# Altium PCB BMYY_PCB_RULER-Pink.PcbDoc (part 1 of 4) (continued)
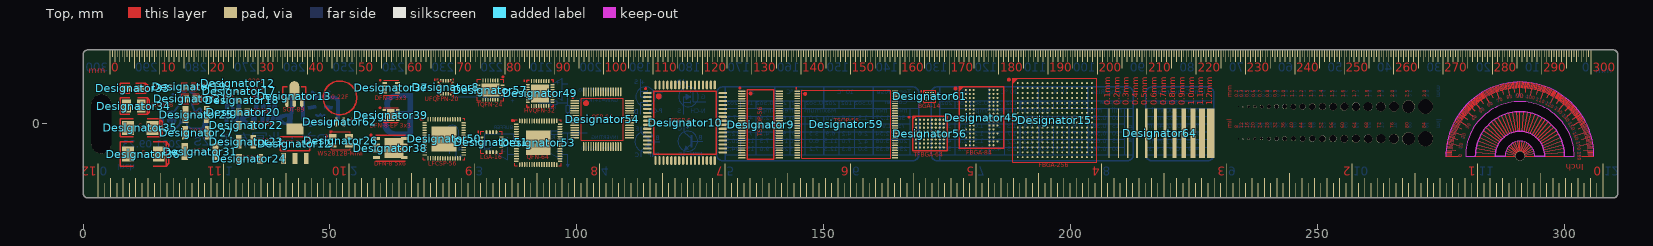
[diagram p0: Top view]
## Footprints (in the part's own frame and the unit in brackets; to place one, negate y for a bottom-side part, rotate by r counter-clockwise, add the part's x,y. Pads: shape width x height; smd on the part's side, far side on the other; paste and mask are expansions set on the pad) (continued)
PITCHAAAAA [mm]
  rect 10x0.1 smd: 1(0,0)
  rect 10x0.2 smd: 4(0,-1.887)
  rect 10x0.3 smd: 5(0,-3.774)
  rect 10x0.4 smd: 6(0,-5.661)
  rect 10x0.5 smd: 7(0,-7.548)
  rect 10x0.6 smd: 8(0,-9.435)
  rect 10x0.7 smd: 9(0,-11.322)
  rect 10x0.8 smd: 10(0,-13.209)
  rect 10x0.9 smd: 11(0,-15.096)
  rect 10x1 smd: 12(0,-16.983)
  rect 10x1.25 smd: 13(0,-18.795)
  rect 10x1.5 smd: 14(0,-20.606)
PMOS-SYMB [mm] "PMOS-SYMB"
  Top circle w0.152: c0,0 r2
  Top circle w0.152: c0,0 r2
  Top region: 0,0.4 0.8,0 0,-0.4 0,0.4
  Top region: 0,0.4 0.8,0 0,-0.4 0,0.4
  Top lines w0.15: 0.8,0 0,0.4 ; 0.8,0 0,-0.4 ; 0.8,0 0,0.4 ; 0.8,0 0,-0.4 ; 0,-0.4 0,0 ; 0,-0.4 0,0 ; 0,0 0,0.4 ; 0,0 0,0.4
  Top lines w0.152: 2.15,-3.2 2.15,-2.8 ; 2.15,-3.2 2.15,-2.8 ; 2.15,-3.2 1.9,-3.45 ; 2.15,-3.2 1.9,-3.45 ; 2.15,-2.8 1.9,-2.55 ; 2.15,-2.8 1.9,-2.55 ; 1.9,-3.45 1.55,-3.45 ; 1.9,-3.45 1.55,-3.45 ; 1.9,-2.55 1.55,-2.55 ; 1.9,-2.55 1.55,-2.55 ; 1.55,-3.45 1.55,-2.55 ; 1.55,-3.45 1.55,-2.55 ; 1,-1.1 -0.5,-1.1 1,-1.1 ; 1,-1.1 1,-3.5 1,-1.1 ; 1,0 1,1.1 ; 1,0 0.8,0 1,0 ; 1,0 1,1.1 ; 1,1.1 1,3.5 1,1.1 ; 1,1.1 -0.5,1.1 1,1.1 ; 0,0 -0.5,0 0,0 ; -1,1 -3.5,1 -1,1
  Top lines w0.2: -0.5,-1.1 -0.5,-0.8 -0.5,-1.1 ; -0.5,-1.1 -0.5,-1.3 -0.5,-1.1 ; -0.5,0 -0.5,0.25 -0.5,0 ; -0.5,0 -0.5,-0.25 -0.5,0 ; -0.5,1.1 -0.5,1.3 -0.5,1.1 ; -0.5,1.1 -0.5,0.8 -0.5,1.1 ; -1,-1 -1,1 -1,-1
PNP-SYMB [mm] "PNP-SYMB"
  Top circle w0.17: c0,0 r2
  Top circle w0.17: c0,0 r2
  Top region: -0.7,0.5 -0.2,1.5 0.3,0.9 -0.7,0.5
  Top region: -0.9,-1.2 -0.9,1.2 -0.6,1.2 -0.6,-1.2
  Top region: -0.7,0.5 -0.2,1.5 0.3,0.9 -0.7,0.5
  Top region: -0.9,-1.2 -0.9,1.2 -0.6,1.2 -0.6,-1.2
  Top lines w0.152: 0.3,2.8 -0.3,2.8 0.3,2.8 ; 0,2.5 0,3.1 0,2.5
  Top lines w0.17: 0.7,-1.8 0.7,-3 0.7,-1.8 ; 0.7,-1.8 -0.8,-0.5 0.7,-1.8 ; 0.7,1.8 0.7,3 0.7,1.8 ; 0.7,1.8 -0.8,0.4 0.7,1.8 ; -0.8,0 -3,0 -0.8,0
QFN-64_9X9X05P [mm]
  rect 5x5 smd mask+0.051: 0(0,0)
  oval 0.28x0.9 smd mask+0.051: 1(-3.75,-4.45) 16(3.75,-4.45) 33(3.75,4.45) 48(-3.75,4.45)
  oval 0.28x1 smd mask+0.051: 2(-3.25,-4.4) 3(-2.75,-4.4) 4(-2.25,-4.4) 5(-1.75,-4.4) 6(-1.25,-4.4) 7(-0.75,-4.4) 8(-0.25,-4.4) 9(0.25,-4.4) 10(0.75,-4.4) 11(1.25,-4.4) 12(1.75,-4.4) 13(2.25,-4.4) 14(2.75,-4.4) 15(3.25,-4.4) 34(3.25,4.4) 35(2.75,4.4) 36(2.25,4.4) 37(1.75,4.4) 38(1.25,4.4) 39(0.75,4.4) 40(0.25,4.4) 41(-0.25,4.4) 42(-0.75,4.4) 43(-1.25,4.4) 44(-1.75,4.4) 45(-2.25,4.4) 46(-2.75,4.4) 47(-3.25,4.4)
  oval 0.9x0.28 smd mask+0.051: 17(4.45,-3.75) 32(4.45,3.75) 49(-4.45,3.75) 64(-4.45,-3.75)
  oval 1x0.28 smd mask+0.051: 18(4.4,-3.25) 19(4.4,-2.75) 20(4.4,-2.25) 21(4.4,-1.75) 22(4.4,-1.25) 23(4.4,-0.75) 24(4.4,-0.25) 25(4.4,0.25) 26(4.4,0.75) 27(4.4,1.25) 28(4.4,1.75) 29(4.4,2.25) 30(4.4,2.75) 31(4.4,3.25) 50(-4.4,3.25) 51(-4.4,2.75) 52(-4.4,2.25) 53(-4.4,1.75) 54(-4.4,1.25) 55(-4.4,0.75) 56(-4.4,0.25) 57(-4.4,-0.25) 58(-4.4,-0.75) 59(-4.4,-1.25) 60(-4.4,-1.75) 61(-4.4,-2.25) 62(-4.4,-2.75) 63(-4.4,-3.25)
  Top circle w0.3: c-4.5,-5.2 r0.15
  Top lines w0.2: 4.2,-4.7 4.7,-4.7 4.7,-4.2 ; -4.2,-4.7 -4.7,-4.7 -4.7,-4.2 ; 4.7,4.2 4.7,4.7 4.2,4.7 ; -4.7,4.2 -4.7,4.7 -4.2,4.7
QFP-64_10X10X05P [mm]
  oval 0.28x1.8 smd mask+0.051: 1(-3.75,-5.55) 2(-3.25,-5.55) 3(-2.75,-5.55) 4(-2.25,-5.55) 5(-1.75,-5.55) 6(-1.25,-5.55) 7(-0.75,-5.55) 8(-0.25,-5.55) 9(0.25,-5.55) 10(0.75,-5.55) 11(1.25,-5.55) 12(1.75,-5.55) 13(2.25,-5.55) 14(2.75,-5.55) 15(3.25,-5.55) 16(3.75,-5.55) 33(3.75,5.55) 34(3.25,5.55) 35(2.75,5.55) 36(2.25,5.55) 37(1.75,5.55) 38(1.25,5.55) 39(0.75,5.55) 40(0.25,5.55) 41(-0.25,5.55) 42(-0.75,5.55) 43(-1.25,5.55) 44(-1.75,5.55) 45(-2.25,5.55) 46(-2.75,5.55) 47(-3.25,5.55) 48(-3.75,5.55)
  oval 1.8x0.28 smd mask+0.051: 17(5.55,-3.75) 18(5.55,-3.25) 19(5.55,-2.75) 20(5.55,-2.25) 21(5.55,-1.75) 22(5.55,-1.25) 23(5.55,-0.75) 24(5.55,-0.25) 25(5.55,0.25) 26(5.55,0.75) 27(5.55,1.25) 28(5.55,1.75) 29(5.55,2.25) 30(5.55,2.75) 31(5.55,3.25) 32(5.55,3.75) 49(-5.55,3.75) 50(-5.55,3.25) 51(-5.55,2.75) 52(-5.55,2.25) 53(-5.55,1.75) 54(-5.55,1.25) 55(-5.55,0.75) 56(-5.55,0.25) 57(-5.55,-0.25) 58(-5.55,-0.75) 59(-5.55,-1.25) 60(-5.55,-1.75) 61(-5.55,-2.25) 62(-5.55,-2.75) 63(-5.55,-3.25) 64(-5.55,-3.75)
  Top circle w0.6: c-3.25,-3.25 r0.3
  Top circle w0.3: c-4.4,-5.925 r0.15
  Top lines w0.2: 4.25,-4.25 -4.25,-4.25 -4.25,4.25 4.25,4.25 4.25,-4.25
  body extent -5.79,-5.79 5.79,5.78, height 1.02
RULE17AA [mm]
  rect 0.15x7 smd: 201(-152.4,-11.875) 221(-127,-11.875) 241(-101.6,-11.875) 261(-76.2,-11.875) 281(-50.8,-11.875) 301(-25.4,-11.875) 321(0,-11.875) 341(25.4,-11.875) 341(50.8,-11.875) 341(76.2,-11.875) 341(101.6,-11.875) 341(127,-11.875) 341(152.4,-11.875)
  rect 0.15x3 smd: 202(-151.13,-13.875) 204(-148.59,-13.875) 206(-146.05,-13.875) 208(-143.51,-13.875) 210(-140.97,-13.875) 212(-138.43,-13.875) 214(-135.89,-13.875) 216(-133.35,-13.875) 218(-130.81,-13.875) 220(-128.27,-13.875) 222(-125.73,-13.875) 224(-123.19,-13.875) 226(-120.65,-13.875) 228(-118.11,-13.875) 230(-115.57,-13.875) 232(-113.03,-13.875) 234(-110.49,-13.875) 236(-107.95,-13.875) 238(-105.41,-13.875) 240(-102.87,-13.875) 242(-100.33,-13.875) 244(-97.79,-13.875) 246(-95.25,-13.875) 248(-92.71,-13.875) 250(-90.17,-13.875) 252(-87.63,-13.875) 254(-85.09,-13.875) 256(-82.55,-13.875) 258(-80.01,-13.875) 260(-77.47,-13.875) 262(-74.93,-13.875) 264(-72.39,-13.875) 266(-69.85,-13.875) 268(-67.31,-13.875) 270(-64.77,-13.875) 272(-62.23,-13.875) 274(-59.69,-13.875) 276(-57.15,-13.875) 278(-54.61,-13.875) 280(-52.07,-13.875) 282(-49.53,-13.875) 284(-46.99,-13.875) 286(-44.45,-13.875) 288(-41.91,-13.875) 290(-39.37,-13.875) 292(-36.83,-13.875) 294(-34.29,-13.875) 296(-31.75,-13.875) 298(-29.21,-13.875) 300(-26.67,-13.875) 302(-24.13,-13.875) 304(-21.59,-13.875) 306(-19.05,-13.875) 308(-16.51,-13.875) 310(-13.97,-13.875) 312(-11.43,-13.875) 314(-8.89,-13.875) 316(-6.35,-13.875) 318(-3.81,-13.875) 320(-1.27,-13.875) 322(1.27,-13.875) 322(26.67,-13.875) 322(52.07,-13.875) 322(77.47,-13.875) 322(102.87,-13.875) 322(128.27,-13.875) 324(3.81,-13.875) 324(29.21,-13.875) 324(54.61,-13.875) 324(80.01,-13.875) 324(105.41,-13.875) 324(130.81,-13.875) 326(6.35,-13.875) 326(31.75,-13.875) 326(57.15,-13.875) 326(82.55,-13.875) 326(107.95,-13.875) 326(133.35,-13.875) 328(8.89,-13.875) 328(34.29,-13.875) 328(59.69,-13.875) 328(85.09,-13.875) 328(110.49,-13.875) 328(135.89,-13.875) 330(11.43,-13.875) 330(36.83,-13.875) 330(62.23,-13.875) 330(87.63,-13.875) 330(113.03,-13.875) 330(138.43,-13.875) 332(13.97,-13.875) 332(39.37,-13.875) 332(64.77,-13.875) 332(90.17,-13.875) 332(115.57,-13.875) 332(140.97,-13.875) 334(16.51,-13.875) 334(41.91,-13.875) 334(67.31,-13.875) 334(92.71,-13.875) 334(118.11,-13.875) 334(143.51,-13.875) 336(19.05,-13.875) 336(44.45,-13.875) 336(69.85,-13.875) 336(95.25,-13.875) 336(120.65,-13.875) 336(146.05,-13.875) 338(21.59,-13.875) 338(46.99,-13.875) 338(72.39,-13.875) 338(97.79,-13.875) 338(123.19,-13.875) 338(148.59,-13.875) 340(24.13,-13.875) 340(49.53,-13.875) 340(74.93,-13.875) 340(100.33,-13.875) 340(125.73,-13.875) 340(151.13,-13.875)
  rect 0.15x4 smd: 203(-149.86,-13.375) 205(-147.32,-13.375) 207(-144.78,-13.375) 209(-142.24,-13.375) 213(-137.16,-13.375) 215(-134.62,-13.375) 217(-132.08,-13.375) 219(-129.54,-13.375) 223(-124.46,-13.375) 225(-121.92,-13.375) 227(-119.38,-13.375) 229(-116.84,-13.375) 233(-111.76,-13.375) 235(-109.22,-13.375) 237(-106.68,-13.375) 239(-104.14,-13.375) 243(-99.06,-13.375) 245(-96.52,-13.375) 247(-93.98,-13.375) 249(-91.44,-13.375) 253(-86.36,-13.375) 255(-83.82,-13.375) 257(-81.28,-13.375) 259(-78.74,-13.375) 263(-73.66,-13.375) 265(-71.12,-13.375) 267(-68.58,-13.375) 269(-66.04,-13.375) 273(-60.96,-13.375) 275(-58.42,-13.375) 277(-55.88,-13.375) 279(-53.34,-13.375) 283(-48.26,-13.375) 285(-45.72,-13.375) 287(-43.18,-13.375) 289(-40.64,-13.375) 293(-35.56,-13.375) 295(-33.02,-13.375) 297(-30.48,-13.375) 299(-27.94,-13.375) 303(-22.86,-13.375) 305(-20.32,-13.375) 307(-17.78,-13.375) 309(-15.24,-13.375) 313(-10.16,-13.375) 315(-7.62,-13.375) 317(-5.08,-13.375) 319(-2.54,-13.375) 323(2.54,-13.375) 323(27.94,-13.375) 323(53.34,-13.375) 323(78.74,-13.375) 323(104.14,-13.375) 323(129.54,-13.375) 325(5.08,-13.375) 325(30.48,-13.375) 325(55.88,-13.375) 325(81.28,-13.375) 325(106.68,-13.375) 325(132.08,-13.375) 327(7.62,-13.375) 327(33.02,-13.375) 327(58.42,-13.375) 327(83.82,-13.375) 327(109.22,-13.375) 327(134.62,-13.375) 329(10.16,-13.375) 329(35.56,-13.375) 329(60.96,-13.375) 329(86.36,-13.375) 329(111.76,-13.375) 329(137.16,-13.375) 333(15.24,-13.375) 333(40.64,-13.375) 333(66.04,-13.375) 333(91.44,-13.375) 333(116.84,-13.375) 333(142.24,-13.375) 335(17.78,-13.375) 335(43.18,-13.375) 335(68.58,-13.375) 335(93.98,-13.375) 335(119.38,-13.375) 335(144.78,-13.375) 337(20.32,-13.375) 337(45.72,-13.375) 337(71.12,-13.375) 337(96.52,-13.375) 337(121.92,-13.375) 337(147.32,-13.375) 339(22.86,-13.375) 339(48.26,-13.375) 339(73.66,-13.375) 339(99.06,-13.375) 339(124.46,-13.375) 339(149.86,-13.375)
  rect 0.15x5 smd: 211(-139.7,-12.875) 231(-114.3,-12.875) 251(-88.9,-12.875) 271(-63.5,-12.875) 291(-38.1,-12.875) 311(-12.7,-12.875) 331(12.7,-12.875) 331(38.1,-12.875) 331(63.5,-12.875) 331(88.9,-12.875) 331(114.3,-12.875) 331(139.7,-12.875)
  rect 0.152x5 smd: 362(-149.996,12.125) 372(-139.996,12.125) 382(-129.996,12.125) 392(-119.996,12.125) 402(-109.996,12.125) 412(-99.996,12.125) 422(-89.996,12.125) 432(-79.996,12.125) 442(-69.996,12.125) 452(-59.996,12.125) 462(-49.996,12.125) 472(-39.996,12.125) 482(-29.996,12.125) 492(-19.996,12.125) 502(-9.996,12.125) 512(0.004,12.125) 522(10.004,12.125) 532(20.004,12.125) 532(30.004,12.125) 532(40.004,12.125) 532(50.004,12.125) 532(60.004,12.125) 532(70.004,12.125) 532(80.004,12.125) 532(90.004,12.125) 532(100.004,12.125) 532(110.004,12.125) 532(120.004,12.125) 532(130.004,12.125) 532(140.004,12.125) 532(150.004,12.125)
  rect 0.152x2.5 smd: 363(-148.996,13.375) 364(-147.996,13.375) 365(-146.996,13.375) 366(-145.996,13.375) 368(-143.996,13.375) 369(-142.996,13.375) 370(-141.996,13.375) 371(-140.996,13.375) 373(-138.996,13.375) 374(-137.996,13.375) 375(-136.996,13.375) 376(-135.996,13.375) 378(-133.996,13.375) 379(-132.996,13.375) 380(-131.996,13.375) 381(-130.996,13.375) 383(-128.996,13.375) 384(-127.996,13.375) 385(-126.996,13.375) 386(-125.996,13.375) 388(-123.996,13.375) 389(-122.996,13.375) 390(-121.996,13.375) 391(-120.996,13.375) 393(-118.996,13.375) 394(-117.996,13.375) 395(-116.996,13.375) 396(-115.996,13.375) 398(-113.996,13.375) 399(-112.996,13.375) 400(-111.996,13.375) 401(-110.996,13.375) 403(-108.996,13.375) 404(-107.996,13.375) 405(-106.996,13.375) 406(-105.996,13.375) 408(-103.996,13.375) 409(-102.996,13.375) 410(-101.996,13.375) 411(-100.996,13.375) 413(-98.996,13.375) 414(-97.996,13.375) 415(-96.996,13.375) 416(-95.996,13.375) 418(-93.996,13.375) 419(-92.996,13.375) 420(-91.996,13.375) 421(-90.996,13.375) 423(-88.996,13.375) 424(-87.996,13.375) 425(-86.996,13.375) 426(-85.996,13.375) 428(-83.996,13.375) 429(-82.996,13.375) 430(-81.996,13.375) 431(-80.996,13.375) 433(-78.996,13.375) 434(-77.996,13.375) 435(-76.996,13.375) 436(-75.996,13.375) 438(-73.996,13.375) 439(-72.996,13.375) 440(-71.996,13.375) 441(-70.996,13.375) 443(-68.996,13.375) 444(-67.996,13.375) 445(-66.996,13.375) 446(-65.996,13.375) 448(-63.996,13.375) 449(-62.996,13.375) 450(-61.996,13.375) 451(-60.996,13.375) 453(-58.996,13.375) 454(-57.996,13.375) 455(-56.996,13.375) 456(-55.996,13.375) 458(-53.996,13.375) 459(-52.996,13.375) 460(-51.996,13.375) 461(-50.996,13.375) 463(-48.996,13.375) 464(-47.996,13.375) 465(-46.996,13.375) 466(-45.996,13.375) 468(-43.996,13.375) 469(-42.996,13.375) 470(-41.996,13.375) 471(-40.996,13.375) 473(-38.996,13.375) 474(-37.996,13.375) 475(-36.996,13.375) 476(-35.996,13.375) 478(-33.996,13.375) 479(-32.996,13.375) 480(-31.996,13.375) 481(-30.996,13.375) 483(-28.996,13.375) 484(-27.996,13.375) 485(-26.996,13.375) 486(-25.996,13.375) 488(-23.996,13.375) 489(-22.996,13.375) 490(-21.996,13.375) 491(-20.996,13.375) 493(-18.996,13.375) 494(-17.996,13.375) 495(-16.996,13.375) 496(-15.996,13.375) 498(-13.996,13.375) 499(-12.996,13.375) 500(-11.996,13.375) 501(-10.996,13.375) 503(-8.996,13.375) 504(-7.996,13.375) 505(-6.996,13.375) 506(-5.996,13.375) 508(-3.996,13.375) 509(-2.996,13.375) 510(-1.996,13.375) 511(-0.996,13.375) 513(1.004,13.375) 514(2.004,13.375) 515(3.004,13.375) 516(4.004,13.375) 518(6.004,13.375) 519(7.004,13.375) 520(8.004,13.375) 521(9.004,13.375) 523(11.004,13.375) 523(21.004,13.375) 523(31.004,13.375) 523(41.004,13.375) 523(51.004,13.375) 523(61.004,13.375) 523(71.004,13.375) 523(81.004,13.375) 523(91.004,13.375) 523(101.004,13.375) 523(111.004,13.375) 523(121.004,13.375) 523(131.004,13.375) 523(141.004,13.375) 524(12.004,13.375) 524(22.004,13.375) 524(32.004,13.375) 524(42.004,13.375) 524(52.004,13.375) 524(62.004,13.375) 524(72.004,13.375) 524(82.004,13.375) 524(92.004,13.375) 524(102.004,13.375) 524(112.004,13.375) 524(122.004,13.375) 524(132.004,13.375) 524(142.004,13.375) 525(13.004,13.375) 525(23.004,13.375) 525(33.004,13.375) 525(43.004,13.375) 525(53.004,13.375) 525(63.004,13.375) 525(73.004,13.375) 525(83.004,13.375) 525(93.004,13.375) 525(103.004,13.375) 525(113.004,13.375) 525(123.004,13.375) 525(133.004,13.375) 525(143.004,13.375) 526(14.004,13.375) 526(24.004,13.375) 526(34.004,13.375) 526(44.004,13.375) 526(54.004,13.375) 526(64.004,13.375) 526(74.004,13.375) 526(84.004,13.375) 526(94.004,13.375) 526(104.004,13.375) 526(114.004,13.375) 526(124.004,13.375) 526(134.004,13.375) 526(144.004,13.375) 528(16.004,13.375) 528(26.004,13.375) 528(36.004,13.375) 528(46.004,13.375) 528(56.004,13.375) 528(66.004,13.375) 528(76.004,13.375) 528(86.004,13.375) 528(96.004,13.375) 528(106.004,13.375) 528(116.004,13.375) 528(126.004,13.375) 528(136.004,13.375) 528(146.004,13.375) 529(17.004,13.375) 529(27.004,13.375) 529(37.004,13.375) 529(47.004,13.375) 529(57.004,13.375) 529(67.004,13.375) 529(77.004,13.375) 529(87.004,13.375) 529(97.004,13.375) 529(107.004,13.375) 529(117.004,13.375) 529(127.004,13.375) 529(137.004,13.375) 529(147.004,13.375) 530(18.004,13.375) 530(28.004,13.375) 530(38.004,13.375) 530(48.004,13.375) 530(58.004,13.375) 530(68.004,13.375) 530(78.004,13.375) 530(88.004,13.375) 530(98.004,13.375) 530(108.004,13.375) 530(118.004,13.375) 530(128.004,13.375) 530(138.004,13.375) 530(148.004,13.375) 531(19.004,13.375) 531(29.004,13.375) 531(39.004,13.375) 531(49.004,13.375) 531(59.004,13.375) 531(69.004,13.375) 531(79.004,13.375) 531(89.004,13.375) 531(99.004,13.375) 531(109.004,13.375) 531(119.004,13.375) 531(129.004,13.375) 531(139.004,13.375) 531(149.004,13.375)
  rect 0.152x3.75 smd: 367(-144.996,12.75) 377(-134.996,12.75) 387(-124.996,12.75) 397(-114.996,12.75) 407(-104.996,12.75) 417(-94.996,12.75) 427(-84.996,12.75) 437(-74.996,12.75) 447(-64.996,12.75) 457(-54.996,12.75) 467(-44.996,12.75) 477(-34.996,12.75) 487(-24.996,12.75) 497(-14.996,12.75) 507(-4.996,12.75) 517(5.004,12.75) 527(15.004,12.75) 527(25.004,12.75) 527(35.004,12.75) 527(45.004,12.75) 527(55.004,12.75) 527(65.004,12.75) 527(75.004,12.75) 527(85.004,12.75) 527(95.004,12.75) 527(105.004,12.75) 527(115.004,12.75) 527(125.004,12.75) 527(135.004,12.75) 527(145.004,12.75)
  rect 0.152x1.5 smd: 563(-149.496,13.875) 564(-148.496,13.875) 565(-147.496,13.875) 566(-146.496,13.875) 567(-145.496,13.875) 568(-144.496,13.875) 569(-143.496,13.875) 570(-142.496,13.875) 571(-141.496,13.875) 572(-140.496,13.875) 573(-139.496,13.875) 574(-138.496,13.875) 575(-137.496,13.875) 576(-136.496,13.875) 577(-135.496,13.875) 578(-134.496,13.875) 579(-133.496,13.875) 580(-132.496,13.875) 581(-131.496,13.875) 582(-130.496,13.875) 583(-129.496,13.875) 584(-128.496,13.875) 585(-127.496,13.875) 586(-126.496,13.875) 587(-125.496,13.875) 588(-124.496,13.875) 589(-123.496,13.875) 590(-122.496,13.875) 591(-121.496,13.875) 592(-120.496,13.875) 593(-119.496,13.875) 594(-118.496,13.875) 595(-117.496,13.875) 596(-116.496,13.875) 597(-115.496,13.875) 598(-114.496,13.875) 599(-113.496,13.875) 600(-112.496,13.875) 601(-111.496,13.875) 602(-110.496,13.875) 603(-109.496,13.875) 604(-108.496,13.875) 605(-107.496,13.875) 606(-106.496,13.875) 607(-105.496,13.875) 608(-104.496,13.875) 609(-103.496,13.875) 610(-102.496,13.875) 611(-101.496,13.875) 612(-100.496,13.875) 613(-99.496,13.875) 614(-98.496,13.875) 615(-97.496,13.875) 616(-96.496,13.875) 617(-95.496,13.875) 618(-94.496,13.875) 619(-93.496,13.875) 620(-92.496,13.875) 621(-91.496,13.875) 622(-90.496,13.875) 623(-89.496,13.875) 624(-88.496,13.875) 625(-87.496,13.875) 626(-86.496,13.875) 627(-85.496,13.875) 628(-84.496,13.875) 629(-83.496,13.875) 630(-82.496,13.875) 631(-81.496,13.875) 632(-80.496,13.875) 633(-79.496,13.875) 634(-78.496,13.875) 635(-77.496,13.875) 636(-76.496,13.875) 637(-75.496,13.875) 638(-74.496,13.875) 639(-73.496,13.875) 640(-72.496,13.875) 641(-71.496,13.875) 642(-70.496,13.875) 643(-69.496,13.875) 644(-68.496,13.875) 645(-67.496,13.875) 646(-66.496,13.875) 647(-65.496,13.875) 648(-64.496,13.875) 649(-63.496,13.875) 650(-62.496,13.875) 651(-61.496,13.875) 652(-60.496,13.875) 653(-59.496,13.875) 654(-58.496,13.875) 655(-57.496,13.875) 656(-56.496,13.875) 657(-55.496,13.875) 658(-54.496,13.875) 659(-53.496,13.875) 660(-52.496,13.875) 661(-51.496,13.875) 662(-50.496,13.875) 663(-49.496,13.875) 664(-48.496,13.875) 665(-47.496,13.875) 666(-46.496,13.875) 667(-45.496,13.875) 668(-44.496,13.875) 669(-43.496,13.875) 670(-42.496,13.875) 671(-41.496,13.875) 672(-40.496,13.875) 673(-39.496,13.875) 674(-38.496,13.875) 675(-37.496,13.875) 676(-36.496,13.875) 677(-35.496,13.875) 678(-34.496,13.875) 679(-33.496,13.875) 680(-32.496,13.875) 681(-31.496,13.875) 682(-30.496,13.875) 683(-29.496,13.875) 684(-28.496,13.875) 685(-27.496,13.875) 686(-26.496,13.875) 687(-25.496,13.875) 688(-24.496,13.875) 689(-23.496,13.875) 690(-22.496,13.875) 691(-21.496,13.875) 692(-20.496,13.875) 693(-19.496,13.875) 694(-18.496,13.875) 695(-17.496,13.875) 696(-16.496,13.875) 697(-15.496,13.875) 698(-14.496,13.875) 699(-13.496,13.875) 700(-12.496,13.875) 701(-11.496,13.875) 702(-10.496,13.875) 703(-9.496,13.875) 704(-8.496,13.875) 705(-7.496,13.875) 706(-6.496,13.875) 707(-5.496,13.875) 708(-4.496,13.875) 709(-3.496,13.875) 710(-2.496,13.875) 711(-1.496,13.875) 712(-0.496,13.875) 713(0.504,13.875) 714(1.504,13.875) 715(2.504,13.875) 716(3.504,13.875) 717(4.504,13.875) 718(5.504,13.875) 719(6.504,13.875) 720(7.504,13.875) 721(8.504,13.875) 722(9.504,13.875) 723(10.504,13.875) 723(20.504,13.875) 723(30.504,13.875) 723(40.504,13.875) 723(50.504,13.875) 723(60.504,13.875) 723(70.504,13.875) 723(80.504,13.875) 723(90.504,13.875) 723(100.504,13.875) 723(110.504,13.875) 723(120.504,13.875) 723(130.504,13.875) 723(140.504,13.875) 724(11.504,13.875) 724(21.504,13.875) 724(31.504,13.875) 724(41.504,13.875) 724(51.504,13.875) 724(61.504,13.875) 724(71.504,13.875) 724(81.504,13.875) 724(91.504,13.875) 724(101.504,13.875) 724(111.504,13.875) 724(121.504,13.875) 724(131.504,13.875) 724(141.504,13.875) 725(12.504,13.875) 725(22.504,13.875) 725(32.504,13.875) 725(42.504,13.875) 725(52.504,13.875) 725(62.504,13.875) 725(72.504,13.875) 725(82.504,13.875) 725(92.504,13.875) 725(102.504,13.875) 725(112.504,13.875) 725(122.504,13.875) 725(132.504,13.875) 725(142.504,13.875) 726(13.504,13.875) 726(23.504,13.875) 726(33.504,13.875) 726(43.504,13.875) 726(53.504,13.875) 726(63.504,13.875) 726(73.504,13.875) 726(83.504,13.875) 726(93.504,13.875) 726(103.504,13.875) 726(113.504,13.875) 726(123.504,13.875) 726(133.504,13.875) 726(143.504,13.875) 727(14.504,13.875) 727(24.504,13.875) 727(34.504,13.875) 727(44.504,13.875) 727(54.504,13.875) 727(64.504,13.875) 727(74.504,13.875) 727(84.504,13.875) 727(94.504,13.875) 727(104.504,13.875) 727(114.504,13.875) 727(124.504,13.875) 727(134.504,13.875) 727(144.504,13.875) 728(15.504,13.875) 728(25.504,13.875) 728(35.504,13.875) 728(45.504,13.875) 728(55.504,13.875) 728(65.504,13.875) 728(75.504,13.875) 728(85.504,13.875) 728(95.504,13.875) 728(105.504,13.875) 728(115.504,13.875) 728(125.504,13.875) 728(135.504,13.875) 728(145.504,13.875) 729(16.504,13.875) 729(26.504,13.875) 729(36.504,13.875) 729(46.504,13.875) 729(56.504,13.875) 729(66.504,13.875) 729(76.504,13.875) 729(86.504,13.875) 729(96.504,13.875) 729(106.504,13.875) 729(116.504,13.875) 729(126.504,13.875) 729(136.504,13.875) 729(146.504,13.875) 730(17.504,13.875) 730(27.504,13.875) 730(37.504,13.875) 730(47.504,13.875) 730(57.504,13.875) 730(67.504,13.875) 730(77.504,13.875) 730(87.504,13.875) 730(97.504,13.875) 730(107.504,13.875) 730(117.504,13.875) 730(127.504,13.875) 730(137.504,13.875) 730(147.504,13.875) 731(18.504,13.875) 731(28.504,13.875) 731(38.504,13.875) 731(48.504,13.875) 731(58.504,13.875) 731(68.504,13.875) 731(78.504,13.875) 731(88.504,13.875) 731(98.504,13.875) 731(108.504,13.875) 731(118.504,13.875) 731(128.504,13.875) 731(138.504,13.875) 731(148.504,13.875) 732(19.504,13.875) 732(29.504,13.875) 732(39.504,13.875) 732(49.504,13.875) 732(59.504,13.875) 732(69.504,13.875) 732(79.504,13.875) 732(89.504,13.875) 732(99.504,13.875) 732(109.504,13.875) 732(119.504,13.875) 732(129.504,13.875) 732(139.504,13.875) 732(149.504,13.875)
SOT-89(SOT-89-3) [mm]
  oval 1.9x0.7 smd: 1(0,-1.5) 3(0,1.5)
  oval 3.5x2 smd: 2(-2.5,0)
  oval 2.1x0.7 smd: 2(-0.1,0)
  Top lines w0.254: -0.5,-2.3 -3.1,-2.3 -3.1,-1.4 ; -3.1,1.4 -3.1,2.3 -0.5,2.3
  body extent -3.75,-2.25 0.55,2.25, height 1.51
SOT-223 [mm]
  rect 2.2x1 smd: 1(3,-2.3) 2(3,0) 3(3,2.3)
  rect 2.2x3.5 smd: 2(-3,0)
  Top lines w0.254: 1.4,-3 -1.4,-3 -1.4,3 1.4,3 1.4,-3
  body extent -3.49,-3.24 3.49,3.24, height 1.64
TFBGA-64 [mm]
  round 0.45 smd mask+0.051: A1(-2.8,-2.8) A2(-2.8,-2) A3(-2.8,-1.2) A4(-2.8,-0.4) A5(-2.8,0.4) A6(-2.8,1.2) A7(-2.8,2) A8(-2.8,2.8) B1(-2,-2.8) B2(-2,-2) B3(-2,-1.2) B4(-2,-0.4) B5(-2,0.4) B6(-2,1.2) B7(-2,2) B8(-2,2.8) C1(-1.2,-2.8) C2(-1.2,-2) C3(-1.2,-1.2) C4(-1.2,-0.4) C5(-1.2,0.4) C6(-1.2,1.2) C7(-1.2,2) C8(-1.2,2.8) D1(-0.4,-2.8) D2(-0.4,-2) D3(-0.4,-1.2) D4(-0.4,-0.4) D5(-0.4,0.4) D6(-0.4,1.2) D7(-0.4,2) D8(-0.4,2.8) E1(0.4,-2.8) E2(0.4,-2) E3(0.4,-1.2) E4(0.4,-0.4) E5(0.4,0.4) E6(0.4,1.2) E7(0.4,2) E8(0.4,2.8) F1(1.2,-2.8) F2(1.2,-2) F3(1.2,-1.2) F4(1.2,-0.4) F5(1.2,0.4) F6(1.2,1.2) F7(1.2,2) F8(1.2,2.8) G1(2,-2.8) G2(2,-2) G3(2,-1.2) G4(2,-0.4) G5(2,0.4) G6(2,1.2) G7(2,2) G8(2,2.8) H1(2.8,-2.8) H2(2.8,-2) H3(2.8,-1.2) H4(2.8,-0.4) H5(2.8,0.4) H6(2.8,1.2) H7(2.8,2) H8(2.8,2.8)
  Top circle w0.3: c-3.306,-4.206 r0.15
  Top region: -3.456,-2.756 -2.756,-3.456 -3.456,-3.456
  Top lines w0.254: 3.494,-3.506 -3.506,-3.506 -3.506,3.494 3.494,3.494 3.494,-3.506
TQFN-24_EP_4X5X05P [mm]
  rect 3.6x2.6 smd mask+0.051: 0(0,0)
  oval 0.28x0.8 smd mask+0.051: 1(-1.5,-1.95) 2(-1,-1.95) 3(-0.5,-1.95) 4(0,-1.95) 5(0.5,-1.95) 6(1,-1.95) 7(1.5,-1.95) 13(1.5,1.95) 14(1,1.95) 15(0.5,1.95) 16(0,1.95) 17(-0.5,1.95) 18(-1,1.95) 19(-1.5,1.95)
  oval 0.8x0.28 smd mask+0.051: 8(2.45,-1) 9(2.45,-0.5) 10(2.45,0) 11(2.45,0.5) 12(2.45,1) 20(-2.45,1) 21(-2.45,0.5) 22(-2.45,0) 23(-2.45,-0.5) 24(-2.45,-1)
  Top circle w0.3: c-2.5,-2.7 r0.15
  Top lines w0.2: 2.7,1.45 2.7,2.2 2,2.2 ; 2.7,-1.45 2.7,-2.2 2,-2.2 ; -2,2.2 -2.7,2.2 -2.7,1.45 ; -2,-2.2 -2.7,-2.2 -2.7,-1.45
TQFP-64_14X14X08P [mm]
  oval 0.45x1.75 smd: 1(-6,-7.65) 2(-5.2,-7.65) 3(-4.4,-7.65) 4(-3.6,-7.65) 5(-2.8,-7.65) 6(-2,-7.65) 7(-1.2,-7.65) 8(-0.4,-7.65) 9(0.4,-7.65) 10(1.2,-7.65) 11(2,-7.65) 12(2.8,-7.65) 13(3.6,-7.65) 14(4.4,-7.65) 15(5.2,-7.65) 16(6,-7.65) 33(6,7.65) 34(5.2,7.65) 35(4.4,7.65) 36(3.6,7.65) 37(2.8,7.65) 38(2,7.65) 39(1.2,7.65) 40(0.4,7.65) 41(-0.4,7.65) 42(-1.2,7.65) 43(-2,7.65) 44(-2.8,7.65) 45(-3.6,7.65) 46(-4.4,7.65) 47(-5.2,7.65) 48(-6,7.65)
  oval 1.75x0.45 smd: 17(7.65,-6) 18(7.65,-5.2) 19(7.65,-4.4) 20(7.65,-3.6) 21(7.65,-2.8) 22(7.65,-2) 23(7.65,-1.2) 24(7.65,-0.4) 25(7.65,0.4) 26(7.65,1.2) 27(7.65,2) 28(7.65,2.8) 29(7.65,3.6) 30(7.65,4.4) 31(7.65,5.2) 32(7.65,6) 49(-7.65,6) 50(-7.65,5.2) 51(-7.65,4.4) 52(-7.65,3.6) 53(-7.65,2.8) 54(-7.65,2) 55(-7.65,1.2) 56(-7.65,0.4) 57(-7.65,-0.4) 58(-7.65,-1.2) 59(-7.65,-2) 60(-7.65,-2.8) 61(-7.65,-3.6) 62(-7.65,-4.4) 63(-7.65,-5.2) 64(-7.65,-6)
  Top circle w0.6: c-5.35,-5.35 r0.3
  Top circle w0.3: c-6.9,-8 r0.15
  Top lines w0.254: 6.35,-6.35 -6.35,-6.35 -6.35,6.35 6.35,6.35 6.35,-6.35
TSOP-56_14X20MM [mm]
  oval 1.2x0.28 smd mask+0.051: 1(-9.9,6.75) 2(-9.9,6.25) 3(-9.9,5.75) 4(-9.9,5.25) 5(-9.9,4.75) 6(-9.9,4.25) 7(-9.9,3.75) 8(-9.9,3.25) 9(-9.9,2.75) 10(-9.9,2.25) 11(-9.9,1.75) 12(-9.9,1.25) 13(-9.9,0.75) 14(-9.9,0.25) 15(-9.9,-0.25) 16(-9.9,-0.75) 17(-9.9,-1.25) 18(-9.9,-1.75) 19(-9.9,-2.25) 20(-9.9,-2.75) 21(-9.9,-3.25) 22(-9.9,-3.75) 23(-9.9,-4.25) 24(-9.9,-4.75) 25(-9.9,-5.25) 26(-9.9,-5.75) 27(-9.9,-6.25) 28(-9.9,-6.75) 29(9.9,-6.75) 30(9.9,-6.25) 31(9.9,-5.75) 32(9.9,-5.25) 33(9.9,-4.75) 34(9.9,-4.25) 35(9.9,-3.75) 36(9.9,-3.25) 37(9.9,-2.75) 38(9.9,-2.25) 39(9.9,-1.75) 40(9.9,-1.25) 41(9.9,-0.75) 42(9.9,-0.25) 43(9.9,0.25) 44(9.9,0.75) 45(9.9,1.25) 46(9.9,1.75) 47(9.9,2.25) 48(9.9,2.75) 49(9.9,3.25) 50(9.9,3.75) 51(9.9,4.25) 52(9.9,4.75) 53(9.9,5.25) 54(9.9,5.75) 55(9.9,6.25) 56(9.9,6.75)
  Top circle w0.4: c-8.3,6.2 r0.2
  Top circle w0.25: c-10.1,7.3 r0.125
  Top lines w0.2: -9,-6.8 9,-6.8 9,6.9 -9,6.9 -9,-6.8
TSSOP-56 [mm]
  oval 0.28x1.5 smd mask+0.051: 1(-6.75,-3.8) 2(-6.25,-3.8) 3(-5.75,-3.8) 4(-5.25,-3.8) 5(-4.75,-3.8) 6(-4.25,-3.8) 7(-3.75,-3.8) 8(-3.25,-3.8) 9(-2.75,-3.8) 10(-2.25,-3.8) 11(-1.75,-3.8) 12(-1.25,-3.8) 13(-0.75,-3.8) 14(-0.25,-3.8) 15(0.25,-3.8) 16(0.75,-3.8) 17(1.25,-3.8) 18(1.75,-3.8) 19(2.25,-3.8) 20(2.75,-3.8) 21(3.25,-3.8) 22(3.75,-3.8) 23(4.25,-3.8) 24(4.75,-3.8) 25(5.25,-3.8) 26(5.75,-3.8) 27(6.25,-3.8) 28(6.75,-3.8) 29(6.75,3.8) 30(6.25,3.8) 31(5.75,3.8) 32(5.25,3.8) 33(4.75,3.8) 34(4.25,3.8) 35(3.75,3.8) 36(3.25,3.8) 37(2.75,3.8) 38(2.25,3.8) 39(1.75,3.8) 40(1.25,3.8) 41(0.75,3.8) 42(0.25,3.8) 43(-0.25,3.8) 44(-0.75,3.8) 45(-1.25,3.8) 46(-1.75,3.8) 47(-2.25,3.8) 48(-2.75,3.8) 49(-3.25,3.8) 50(-3.75,3.8) 51(-4.25,3.8) 52(-4.75,3.8) 53(-5.25,3.8) 54(-5.75,3.8) 55(-6.25,3.8) 56(-6.75,3.8)
  Top circle w0.4: c-6.3,-2 r0.2
  Top circle w0.3: c-7.4,-4.2 r0.15
  Top lines w0.254: 7,-2.7 -7,-2.7 -7,2.7 7,2.7 7,-2.7
UFQFPN-20 [mm]
  rect 0.3x0.3 smd paste+0 mask-0.15: 1(-1,-1.5) 5(1,-1.5) 6(1.5,-1) 10(1.5,1) 11(1,1.5) 15(-1,1.5) 16(-1.5,1) 20(-1.5,-1)
  rect 0.3x0.7 smd paste+0 mask+0.051: 2(-0.5,-1.3) 3(0,-1.3) 4(0.5,-1.3) 12(0.5,1.3) 13(0,1.3) 14(-0.5,1.3)
  rect 0.7x0.3 smd paste+0 mask+0.051: 7(1.3,-0.5) 8(1.3,0) 9(1.3,0.5) 17(-1.3,0.5) 18(-1.3,0) 19(-1.3,-0.5)
  Top circle w0.25: c-1.55,-2.175 r0.125
  Top region: -1.15,0.85 -1.35,0.85 -1.35,1.15 -1.15,0.95
  Top region: -0.85,-1.15 -0.85,-1.35 -1.15,-1.35 -0.95,-1.15
  Top region: 1.15,-0.85 1.35,-0.85 1.35,-1.15 1.15,-0.95
  Top region: 0.85,1.15 0.85,1.35 1.15,1.35 0.95,1.15
  Top region: 0.85,-1.15 0.85,-1.35 1.15,-1.35 0.95,-1.15
  Top region: 1.15,0.85 1.35,0.85 1.35,1.15 1.15,0.95
  Top region: -0.85,1.15 -0.85,1.35 -1.15,1.35 -0.95,1.15
  Top region: -1.15,-0.85 -1.35,-0.85 -1.35,-1.15 -1.15,-0.95
  Top lines w0.2: 1.45,-1.7 1.7,-1.7 1.7,-1.45 ; -1.45,-1.7 -1.7,-1.7 -1.7,-1.45 ; 1.7,1.45 1.7,1.7 1.45,1.7 ; -1.7,1.45 -1.7,1.7 -1.45,1.7
  body extent -1.55,-1.55 1.55,1.55, height 0.6